# Altium PCB 智能锁实践教学平台.PcbDoc (part 1 of 3) (continued)
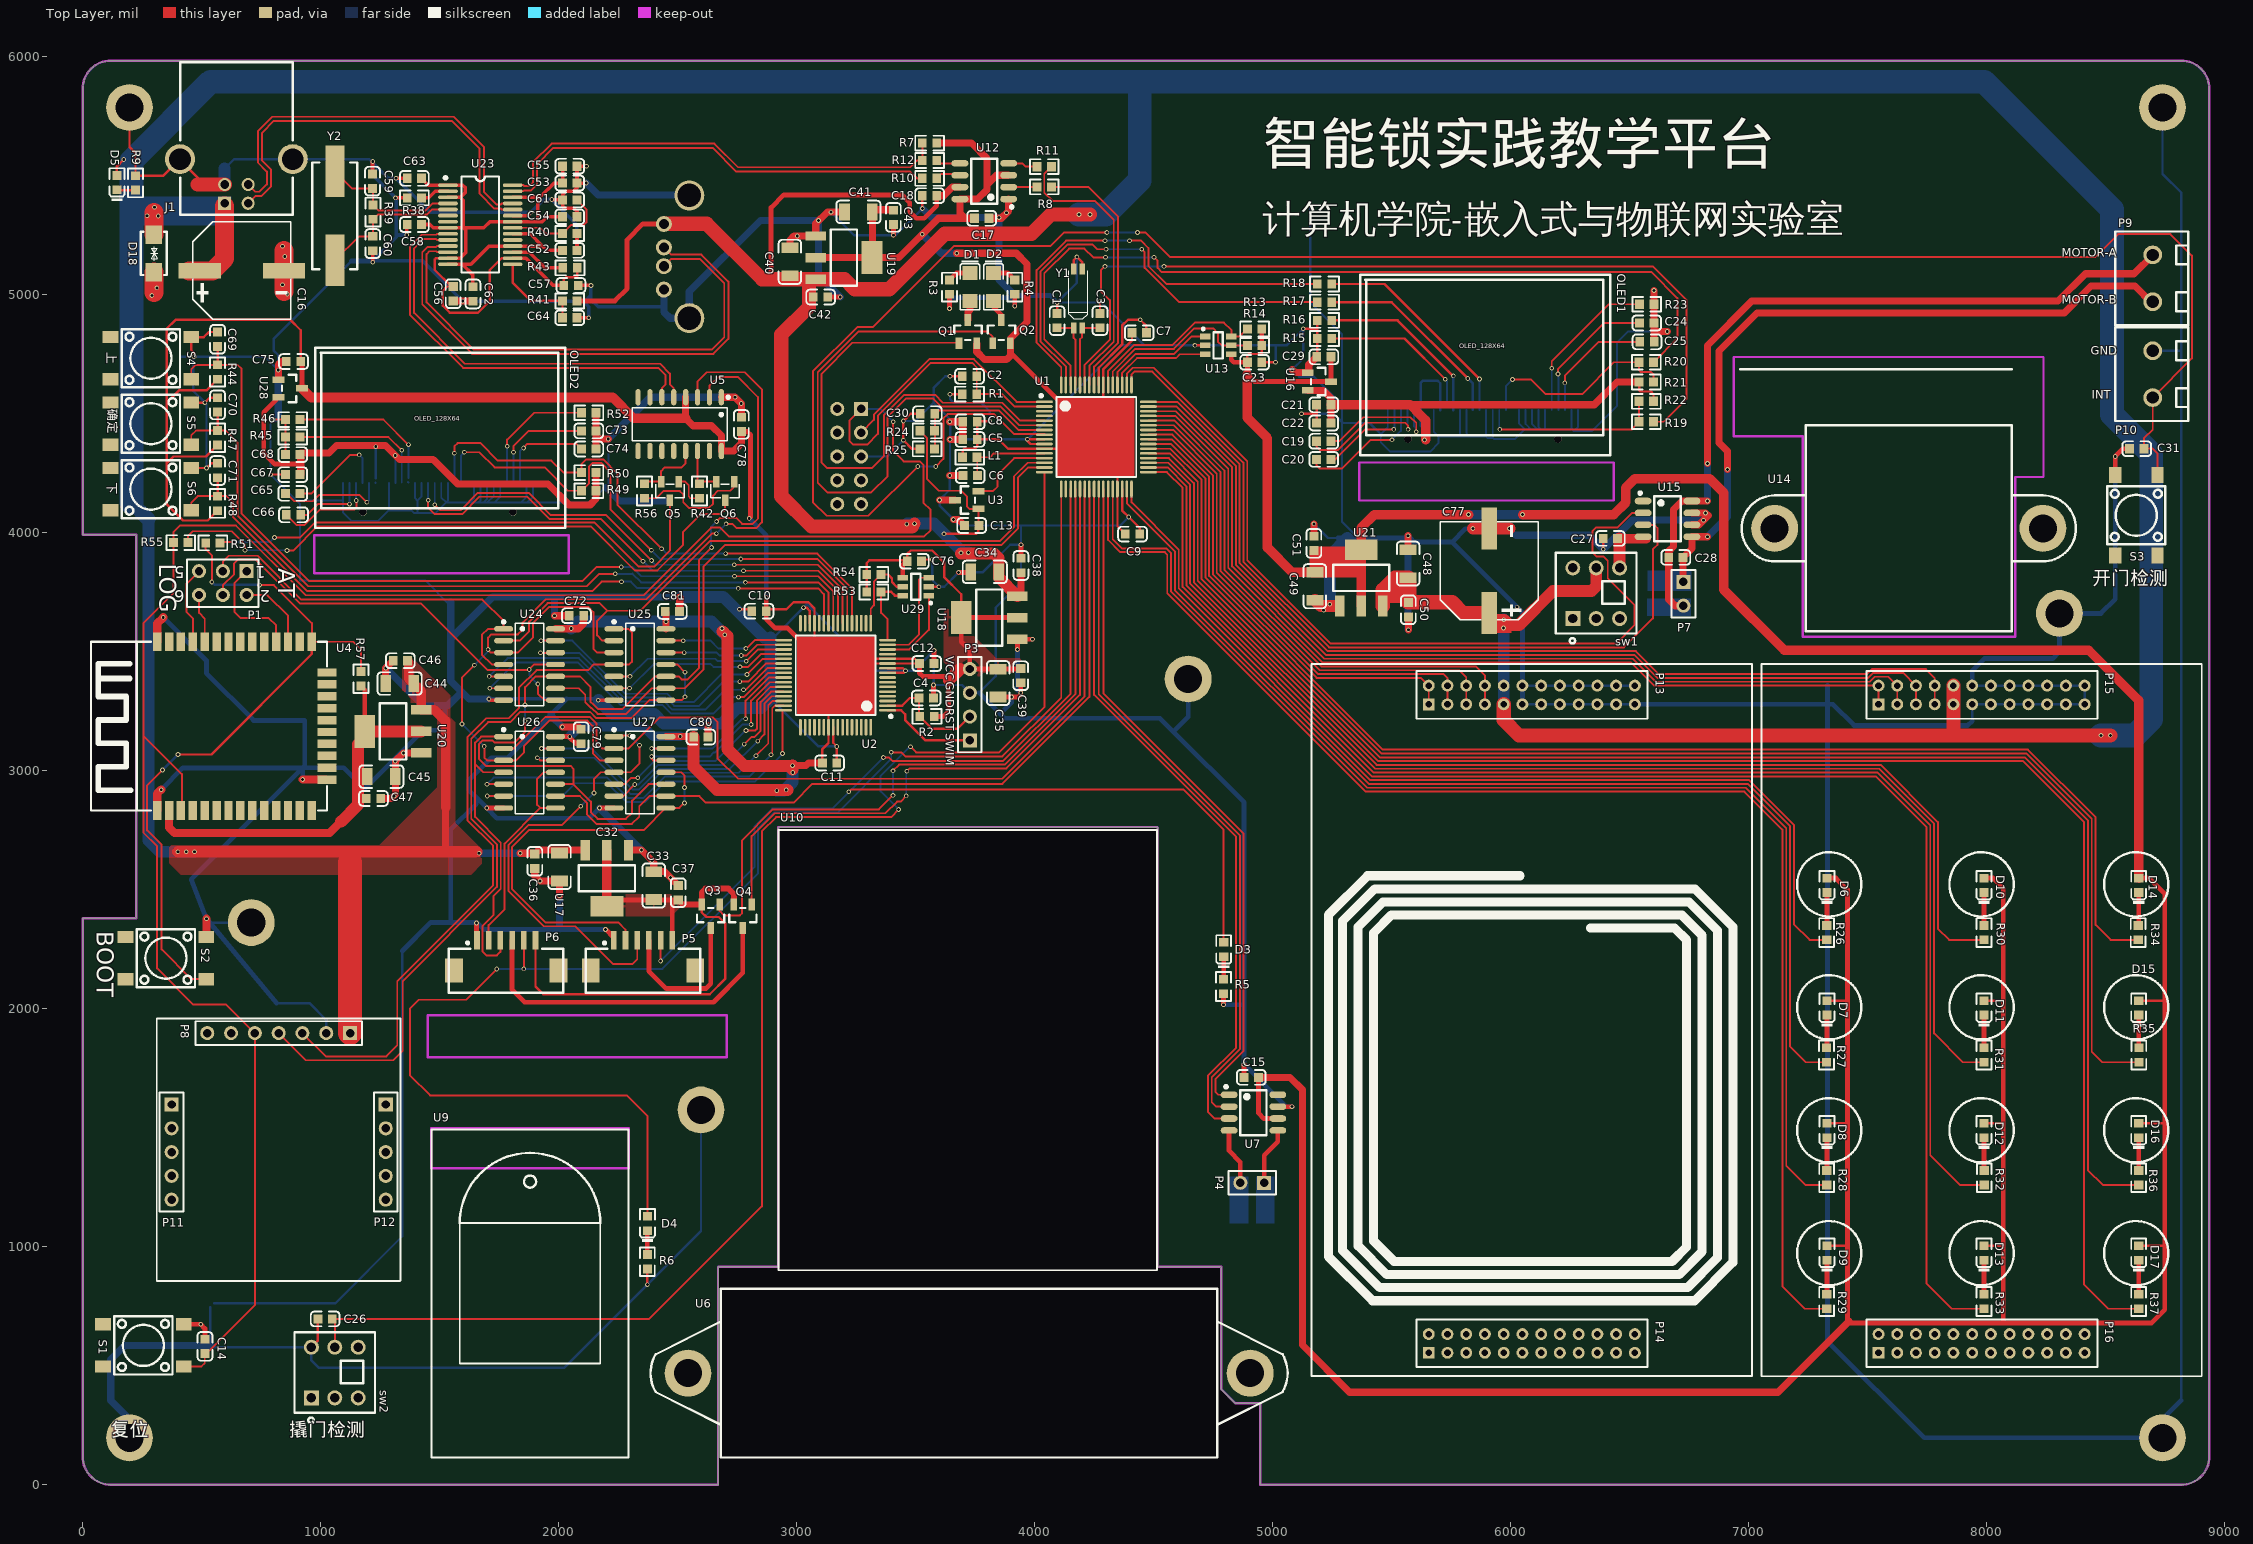
[diagram p0: Top Layer view]
## Components (designator, comment, footprint, x,y, rotation, side; value= is the part's Value field where it differs from the comment) (continued)
R6 "4.7K" 0603_R 2373,936.74 r90 top
R7 "1.5K" 0603_R 3559,5637.74 r0 top
R8 "300R" 0603_R 4041,5453.74 r180 top
R9 "4.7K" 0603_R 222,5470.74 r90 top
R10 "27R" 0603_R 3559,5489.74 r180 top
R11 "300R" 0603_R 4041,5538.74 r180 top
R12 "27R" 0603_R 3559,5564.74 r180 top
R13 "10K" 0603_R 4925,4856.74 r0 top
R14 "10K" 0603_R 4925,4787.74 r0 top
R15 "4.7K" 0603_R 5218.68,4816.45 r0 top
R16 "4.7K" 0603_R 5218.68,4892.88 r0 top
R17 "1K" 0603_R 5218.68,4969.31 r0 top
R18 "1K" 0603_R 5218.68,5045.74 r0 top
R19 "1K" 0603_R 6571,4466.74 r180 top
R20 "1K" 0603_R 6571,4716.74 r180 top
R21 "4.7K" 0603_R 6571,4634.07 r0 top
R22 "4.7K" 0603_R 6571,4552.74 r180 top
R23 "910K" 0603_R 6573,4960.74 r0 top
R24 "4.7K" 0603_R 3549,4428.74 r180 top
R25 "10K" 0603_R 3549,4352.74 r0 top
R26 "4.7K" 0603_R 7329,2319.74 r90 top
R27 "4.7K" 0603_R 7328,1805.74 r90 top
R28 "4.7K" 0603_R 7329,1289.74 r90 top
R29 "4.7K" 0603_R 7329,769.74 r90 top
R30 "4.7K" 0603_R 7990,2319.74 r90 top
R31 "4.7K" 0603_R 7990,1805.74 r90 top
R32 "4.7K" 0603_R 7991,1289.74 r90 top
R33 "4.7K" 0603_R 7990,769.74 r90 top
R34 "4.7K" 0603_R 8638,2319.74 r90 top
R35 "4.7K" 0603_R 8641,1805.74 r90 top
R36 "4.7K" 0603_R 8640,1289.74 r90 top
R37 "4.7K" 0603_R 8640,769.74 r90 top
R38 "680R  1%" 0603_R 1394,5407.74 r0 top
R39 "1M" 0603_R 1220,5347.74 r90 top
R40 "470K" 0603_R 2047,5257.63 r180 top
R41 "1R" 0603_R 2047,4974.52 r0 top
R42 "10K" 0603_R 2592,4175.74 r90 top
R43 "0R" 0603_R 2048,5113.74 r180 top
R44 "10K" 0603_R 567,4675.74 r270 top
R45 "4.7K" 0603_R 883,4402.74 r0 top
R46 "4.7K" 0603_R 883,4475.74 r0 top
R47 "10K" 0603_R 567,4399.74 r270 top
R48 "10K" 0603_R 567,4123.74 r270 top
R49 "4.7K" 0603_R 2127,4176.74 r180 top
R50 "4.7K" 0603_R 2127,4252.99 r180 top
R51 "0R" 0603_R 547,3957.74 r0 top
R52 "910K" 0603_R 2127,4504.74 r0 top
R53 "10K" 0603_R 3325,3751.74 r180 top
R54 "10K" 0603_R 3325,3824.74 r180 top
R55 "0R" 0603_R 412,3958.74 r0 top
R56 "10K" 0603_R 2361,4175.74 r90 top
R57 "10K" 0603_R 1170,3386.74 r270 top
S1 "switch" SW-SMD_4P-L6.2-W6.2-P4.50-LS9.0 255.44,585.3 r180 top
S2 "switch" SW-SMD_4P-L6.2-W6.2-P4.50-LS9.0 350,2212.74 r180 top
S3 "switch" SW-SMD_4P-L6.2-W6.2-P4.50-LS9.0 8630,4073.74 r270 top
S4 "switch" SW-SMD_4P-L6.2-W6.2-P4.50-LS9.0 287,4733.74 r180 top
S5 "switch" SW-SMD_4P-L6.2-W6.2-P4.50-LS9.0 287,4458.74 r180 top
S6 "switch" SW-SMD_4P-L6.2-W6.2-P4.50-LS9.0 287,4183.74 r180 top
sw1 "自锁开关" SW-TH_6P-L8.5-W8.5-P2.50-LS5.4-BL 6262,3640 r0 top
sw2 "自锁开关" SW-TH_6P-L8.5-W8.5-P2.50-LS5.4-BL 961,365 r0 top
U1 "STM8L052R8T6" LQFP-64_10X10X05P 4260,4402.74 r0 top
U2 "STM8L052R8T6" LQFP-64_10X10X05P 3164,3401.74 r180 top
U3 "REF3033" SOT-23(SOT-23-3) 3715,4137.74 r0 top
U4 "ESP32" WIFIM-SMD_ESP32-S32MB 670,3188 r90 top
U5 "CH340B" SOP-16_L10.0-W3.9-P1.27-LS6.0-BL 2509,4456.74 r180 top
U6 "YH-SP1635-01" YH-SP1635-01 3725,468.74 r90 top
U7 "NV080C" SOP-8_150mil 4920,1563.74 r270 top
U9 "F1020" F1020 1880,803.74 r0 top
U10 "BiovoV9" BiovoV9 3720,1826.5 r0 top
U12 "PL2303SA" SOP-8_150mil 3789,5477.74 r90 top
U13 "GT20L16S1Y" SOT-23-6 4772,4787.74 r180 top
U14 "motor" MH-JS030LK140 7674,4018.74 r180 top
U15 "MX608E" SOP-8_150mil 6660,4058.74 r270 top
U16 "662K" SOT-23(SOT-23-3) 5197,4635.74 r180 top
U17 "LM1117" SOT-223 2203,2548.74 r90 top
U18 "LM1117" SOT-223 3810,3643.74 r0 top
U19 "LM1117" SOT-223 3199,5156.74 r180 top
U20 "LM1117" SOT-223 1304,3165.74 r0 top
U21 "LM1117" SOT-223 5373,3810.74 r270 top
U23 "AU6268" SSOP-28_208mil 1671,5294.74 r270 top
U24 "CD4066BM" SOIC-14_L8.7-W3.9-P1.27-LS6.0-BL 1878,3446.74 r270 top
U25 "CD4066BM" SOIC-14_L8.7-W3.9-P1.27-LS6.0-BL 2342,3446.74 r270 top
U26 "CD4066BM" SOIC-14_L8.7-W3.9-P1.27-LS6.0-BL 1878,2993.74 r270 top
U27 "CD4066BM" SOIC-14_L8.7-W3.9-P1.27-LS6.0-BL 2342,2993.74 r270 top
U28 "662K" SOT-23(SOT-23-3) 872.55,4606.74 r180 top
U29 "GT20L16S1Y" SOT-23-6 3501,3773.74 r0 top
USB-HOST1 "USBPORT_0" USB-A-TH_USB-DIP-04F-S1-B1-Y2 2496,5160 r270 bottom
Y1 "32.768KHz" CRY_MC146 4182,4996.74 r90 top
Y2 "12MHz" LC-HC-49SMD 1060,5331.74 r90 top

## Footprints (in the part's own frame and the unit in brackets; to place one, negate y for a bottom-side part, rotate by r counter-clockwise, add the part's x,y. Pads: shape width x height; smd on the part's side, far side on the other; paste and mask are expansions set on the pad)
"2.0mm 2*12P直排母" [mm]
  rect 1.27x1.27 / inner round 1.524 / far side rect 1.27x1.27 hole 0.7: 1(0,0)
  round 1.27 / inner round 1.524 / far side round 1.27 hole 0.7: 2(0,2) 3(2,0) 4(2,2) 5(4,0) 6(4,2) 7(6,0) 8(6,2) 9(8,0) 10(8,2) 11(10,0) 12(10,2) 13(12,0) 14(12,2) 15(14,0) 16(14,2) 17(16,0) 18(16,2) 19(18,0) 20(18,2) 21(20,0) 22(20,2) 23(22,0) 24(22,2)
  silkscreen extent -1.3,-1.54 23.36,3.54
2.54-2*5P简牛 [mm]
  rect 1.5x1.5 hole 0.9: 1(-5.08,-1.27)
  round 1.5 hole 0.9: 2(-5.08,1.27) 3(-2.54,-1.27) 4(-2.54,1.27) 5(0,-1.27) 6(0,1.27) 7(2.54,-1.27) 8(2.54,1.27) 9(5.08,-1.27) 10(5.08,1.27)
  silkscreen extent -10.25,-4.5 10.25,4.5
0603_C [mm]
  rect 0.93x0.98 smd: 1(-0.77,0) 2(0.77,0)
  silkscreen extent -1.53,-0.79 1.54,0.79, body extent -0.8,-0.4 0.8,0.4, height 0.3
0603_L [mm]
  rect 0.93x0.98 smd: 1(-0.77,0) 2(0.77,0)
  silkscreen extent -1.53,-0.79 1.54,0.79, body extent -0.82,-0.41 0.83,0.41, height 0.46
0603_LED_S1 [mm]
  rect 0.93x0.98 smd: A(0.77,0) K(-0.77,0)
  silkscreen extent -1.98,-0.79 1.54,0.79, body extent -0.8,-0.4 0.8,0.4, height 0.6
0603_R [mm]
  rect 0.93x0.98 smd: 1(-0.77,0) 2(0.77,0)
  silkscreen extent -1.53,-0.79 1.54,0.79, body extent -0.85,-0.4 0.85,0.4, height 0.56
1206_C [mm]
  rect 1.13x1.8 smd: 1(-1.49,0) 2(1.49,0)
  silkscreen extent -2.36,-1.2 2.35,1.2, body extent -1.6,-0.81 1.6,0.79, height 1
BiovoV9 [mil]
  silkscreen extent -795,-925 795,925
CAP-SMD_BD10.0-L10.3-W10.3-FD [mm]
  rect 4.5x1.65 smd: 1(-4.5,0) 2(4.5,0)
  silkscreen extent -5.23,-5.23 5.23,5.23
CONN-SMD_6PIN_AFC12-S06DCC-00_PITCH1.25-L [mm]
  rect 0.6x2 smd: 1(-3.125,1.798) 2(-1.875,1.798) 3(-0.625,1.798) 4(0.625,1.798) 5(1.875,1.798) 6(3.125,1.798)
  rect 1.9x2.6 smd: 7(5.575,-1.417) 8(-5.575,-1.417)
  silkscreen extent -6.12,-3.78 6.1,1.66
CONN-TH_WJ126V-5.0-2P [mm]
  round 2 hole 1.3: 1(0,2.501) 2(0,-2.501)
  silkscreen extent -3.8,-5 4,5
CRY_MC146 [mm]
  rect 1.2x0.6 smd: 1(-3.45,-0.46) 2(-3.45,0.44) 3(2.85,0.44) 4(2.85,-0.46)
  silkscreen extent -2.49,-1.04 2.65,0.96
F1020 [mil]
  silkscreen extent -413,-689 413,689
HDR1X2 [mm] "Connector; Header; 2 Position"
  rect 1.5x1.5 hole 0.9: 1(0,0)
  round 1.5 hole 0.9: 2(2.54,0)
  silkscreen extent -1.27,-1.27 3.81,1.27
HDR1X4 [mm] "Connector; Header; 4 Position"
  rect 1.5x1.5 hole 0.9: 1(0,0)
  round 1.5 hole 0.9: 2(2.54,0) 3(5.08,0) 4(7.62,0)
  silkscreen extent -1.27,-1.27 8.89,1.27
HDR1X5 [mm] "Connector; Header; 5 Position"
  rect 1.5x1.5 hole 0.9: 1(0,0)
  round 1.5 hole 0.9: 2(2.54,0) 3(5.08,0) 4(7.62,0) 5(10.16,0)
  silkscreen extent -1.27,-1.27 11.43,1.27
HDR1X7 [mm] "Connector; Header; 7 Position"
  rect 1.5x1.5 hole 0.9: 1(0,0)
  round 1.5 hole 0.9: 2(2.54,0) 3(5.08,0) 4(7.62,0) 5(10.16,0) 6(12.7,0) 7(15.24,0)
  silkscreen extent -1.27,-1.27 16.51,1.27
HDR2X3 [mm] "Connector; Header; 3x2 Position"
  rect 1.5x1.5 hole 0.9: 1(0,0)
  round 1.5 hole 0.9: 2(0,2.54) 3(2.54,0) 4(2.54,2.54) 5(5.08,0) 6(5.08,2.54)
  silkscreen extent -1.27,-1.27 6.35,3.81
LC-HC-49SMD [mm]
  rect 5.5x2 smd: 1(-4.75,0) 2(4.75,0)
  silkscreen extent -5.7,-2.4 5.7,2.4, body extent -6.7,-2.46 6.7,2.44, height 4
LED_1206 [mm]
  rect 1.485x1.62 smd: A(1.467,-0.155) K(-1.518,-0.155)
  silkscreen extent -2.79,-1.19 2.44,0.88
LQFP-64_10X10X05P [mm]
  oval 1.8x0.28 smd: 1(-5.55,3.75) 2(-5.55,3.25) 3(-5.55,2.75) 4(-5.55,2.25) 5(-5.55,1.75) 6(-5.55,1.25) 7(-5.55,0.75) 8(-5.55,0.25) 9(-5.55,-0.25) 10(-5.55,-0.75) 11(-5.55,-1.25) 12(-5.55,-1.75) 13(-5.55,-2.25) 14(-5.55,-2.75) 15(-5.55,-3.25) 16(-5.55,-3.75) 33(5.55,-3.75) 34(5.55,-3.25) 35(5.55,-2.75) 36(5.55,-2.25) 37(5.55,-1.75) 38(5.55,-1.25) 39(5.55,-0.75) 40(5.55,-0.25) 41(5.55,0.25) 42(5.55,0.75) 43(5.55,1.25) 44(5.55,1.75) 45(5.55,2.25) 46(5.55,2.75) 47(5.55,3.25) 48(5.55,3.75)
  oval 0.28x1.8 smd: 17(-3.75,-5.55) 18(-3.25,-5.55) 19(-2.75,-5.55) 20(-2.25,-5.55) 21(-1.75,-5.55) 22(-1.25,-5.55) 23(-0.75,-5.55) 24(-0.25,-5.55) 25(0.25,-5.55) 26(0.75,-5.55) 27(1.25,-5.55) 28(1.75,-5.55) 29(2.25,-5.55) 30(2.75,-5.55) 31(3.25,-5.55) 32(3.75,-5.55) 49(3.75,5.55) 50(3.25,5.55) 51(2.75,5.55) 52(2.25,5.55) 53(1.75,5.55) 54(1.25,5.55) 55(0.75,5.55) 56(0.25,5.55) 57(-0.25,5.55) 58(-0.75,5.55) 59(-1.25,5.55) 60(-1.75,5.55) 61(-2.25,5.55) 62(-2.75,5.55) 63(-3.25,5.55) 64(-3.75,5.55)
  silkscreen extent -6.05,-4.25 4.25,4.55
MH-JS030LK140 [mm]
  round 5 hole 3: 0(-14.32,0) 1(14.32,0)
  silkscreen extent -17.84,-17 18,11
OLED-SMD_QG-2864KSWEG01-FLOD [mm]
  rect 0.351x3.5 smd far side: 1(-9.895,-1.018) 2(-9.19,-1.018) 3(-8.49,-1.018) 4(-7.79,-1.018) 5(-7.09,-1.018) 6(-6.39,-1.018) 7(-5.69,-1.018) 8(-4.99,-1.018) 9(-4.29,-1.018) 10(-3.59,-1.018) 11(-2.89,-1.018) 12(-2.19,-1.018) 13(-1.49,-1.018) 14(-0.79,-1.018) 15(-0.09,-1.018) 16(0.61,-1.018) 17(1.31,-1.018) 18(2.01,-1.018) 19(2.71,-1.018) 20(3.41,-1.018) 21(4.11,-1.018) 22(4.81,-1.018) 23(5.51,-1.018) 24(6.21,-1.018) 25(6.91,-1.018) 26(7.61,-1.018) 27(8.31,-1.018) 28(9.005,-1.018) 29(9.704,-1.018) 30(10.403,-1.018)
  round 0.8 hole 0.8 unplated: ""(-7.746,-4.624) ""(8.254,-4.624)
  Keep-Out Layer lines w0.254: -12.954,-11.176 -12.954,-7.112 14.224,-7.112 14.224,-11.176 -12.954,-11.176
  silkscreen extent -12.85,-6.34 13.85,12.92
SMA_L4.4-W2.6-LS5.0-BI [mm]
  rect 2x1.8 smd: 1(-2,0) 2(2,0)
  silkscreen extent -2.3,-1.4 2.3,1.4
SOIC-14_L8.7-W3.9-P1.27-LS6.0-BL [mil]
  oval 22.6x80.24 smd: 1(-150,-109.02) 2(-100,-109.02) 3(-50,-109.02) 4(0,-109.02) 5(50,-109.02) 6(100,-109.02) 7(150,-109.02) 8(150,109.01) 9(100,109.01) 10(50,109.01) 11(0,109.01) 12(-50,109.01) 13(-100,109.01) 14(-150,109.01)
  silkscreen extent -185,-115 173,60
SOP-8_150mil [mm]
  oval 0.7x1.8 smd: 1(-1.905,-2.6) 2(-0.635,-2.6) 3(0.635,-2.6) 4(1.905,-2.6) 5(1.905,2.6) 6(0.635,2.6) 7(-0.635,2.6) 8(-1.905,2.6)
  silkscreen extent -2.9,-3.07 2.4,1.4, body extent -2.5,-3.1 2.5,3.1, height 1.75
SOP-16_L10.0-W3.9-P1.27-LS6.0-BL [mm]
  oval 0.56x1.745 smd: 1(-4.445,-2.873) 2(-3.175,-2.873) 3(-1.905,-2.873) 4(-0.635,-2.873) 5(0.635,-2.873) 6(1.905,-2.873) 7(3.175,-2.873) 8(4.445,-2.873) 9(4.445,2.873) 10(3.175,2.873) 11(1.905,2.873) 12(0.635,2.873) 13(-0.635,2.873) 14(-1.905,2.873) 15(-3.175,2.873) 16(-4.445,2.873)
  silkscreen extent -5.33,-3.02 5.08,1.77
SOT-23(SOT-23-3) [mm]
  rect 1.25x0.7 smd: 1(1.25,-0.95) 2(1.25,0.95) 3(-1.25,0)
  silkscreen extent -0.65,-1.46 0.9,1.46, body extent -1.5,-1.5 1.5,1.5, height 1.3
SOT-23-3_L2.9-W1.3-P1.90-LS2.4-BR [mm]
  rect 1.25x0.7 smd: 1(1,-0.95) 2(1,0.95) 3(-1,0)
  silkscreen extent -0.73,-1.53 0.73,1.53
SOT-23-6 [mm]
  rect 1.1x0.6 smd: 1(1.4,-0.95) 2(1.4,0) 3(1.4,0.95) 4(-1.4,0.95) 5(-1.4,0) 6(-1.4,-0.95)
  silkscreen extent -0.5,-1.87 1.72,1.4
SOT-223 [mm]
  rect 2.2x1 smd: 1(3,-2.3) 2(3,0) 3(3,2.3)
  rect 2.2x3.5 smd: 2(-3,0)
  silkscreen extent -1.4,-3 1.4,3, body extent -3.49,-3.24 3.49,3.24, height 1.64
SSOP-28_208mil [mm]
  oval 0.4x2.1 smd mask+0.051: 1(-4.225,-3.45) 2(-3.575,-3.45) 3(-2.925,-3.45) 4(-2.275,-3.45) 5(-1.625,-3.45) 6(-0.975,-3.45) 7(-0.325,-3.45) 8(0.325,-3.45) 9(0.975,-3.45) 10(1.625,-3.45) 11(2.275,-3.45) 12(2.925,-3.45) 13(3.575,-3.45) 14(4.225,-3.45) 15(4.225,3.45) 16(3.575,3.45) 17(2.925,3.45) 18(2.275,3.45) 19(1.625,3.45) 20(0.975,3.45) 21(0.325,3.45) 22(-0.325,3.45) 23(-0.975,3.45) 24(-1.625,3.45) 25(-2.275,3.45) 26(-2.925,3.45) 27(-3.575,3.45) 28(-4.225,3.45)
  silkscreen extent -5.15,-3.86 5.1,2
SW-SMD_4P-L6.2-W6.2-P4.50-LS9.0 [mm]
  rect 1.7x1.3 smd: 1(-4.3,2.25) 2(-4.3,-2.25) 3(4.3,2.25) 4(4.3,-2.25)
  silkscreen extent -3.1,-3.1 3.1,3.1
SW-TH_6P-L8.5-W8.5-P2.50-LS5.4-BL [mm]
  rect 1.6x1.6 hole 1: 1(0,0)
  round 1.6 hole 1: 2(2.5,0) 3(5,0) 4(5,5.4) 5(2.5,5.4) 6(0,5.4)
  silkscreen extent -1.8,-2.66 6.8,7
USB-A-TH_USB-DIP-04F-S1-B1-Y2 [mm]
  round 1.7 hole 1.1: 1(-3.5,1.355) 2(-1,1.355) 3(1,1.355) 4(3.5,1.355)
  round 3.2 hole 2.5: 5(6.55,-1.355) 6(-6.55,-1.355)
  silkscreen extent -7.25,-12.68 7.24,1.66
USB_D [mm]
  rect 1.4x1.4 hole 0.92: 1(-4.602,1.123)
  round 1.4 hole 0.92: 2(-4.602,-1.377) 3(-2.602,-1.377) 4(-2.602,1.123)
  round 3.2 hole 2.3: SH1(0.108,5.893) SH2(0.108,-6.147)
  silkscreen extent -5.84,-6.13 10.46,5.87
WIFIM-SMD_ESP32-S32MB [mm]
  rect 2x0.9 smd: 1(-9,9.068) 2(-9,7.798) 3(-9,6.528) 4(-9,5.258) 5(-9,3.988) 6(-9,2.718) 7(-9,1.448) 8(-9,0.178) 9(-9,-1.092) 10(-9,-2.362) 11(-9,-3.632) 12(-9,-4.902) 13(-9,-6.172) 14(-9,-7.442) 25(9,-7.442) 26(9,-6.172) 27(9,-4.902) 28(9,-3.632) 29(9,-2.362) 30(9,-1.092) 31(9,0.178) 32(9,1.448) 33(9,2.718) 34(9,3.988) 35(9,5.258) 36(9,6.528) 37(9,7.798) 38(9,9.068)
  rect 0.9x2 smd: 15(-5.715,-9.068) 16(-4.445,-9.068) 17(-3.175,-9.068) 18(-1.905,-9.068) 19(-0.635,-9.068) 20(0.635,-9.068) 21(1.905,-9.068) 22(3.175,-9.068) 23(4.445,-9.068) 24(5.715,-9.068)
  silkscreen extent -9.02,-9.07 9.02,16.13
YH-SP1635-01 [mm]
  round 5 hole 3: 0(0,30) 1(0,-30)
  silkscreen extent -9,-34 9,34

## Part data
C1 C2 C3 C4 C5 C6 C7 C8 C9 C10 C11 C12 C13 C14 C15 C17 C18 C19 C20 C21 C22 C23 C24 C25 C26 C27 C28 C29 C30 C31 C36 C37 C38 C39 C42 C43 C46 C47 C50 C51 C52 C53 C54 C55 C56 C57 C58 C59 C60 C61 C62 C63 C64 C65 C66 C67 C68 C69 C70 C71 C72 C73 C74 C75 C76 C78 C79 C80 C81: library part Cap, "贴片电容，0603"
C16 C32 C33 C34 C35 C40 C41 C44 C45 C48 C49 C77: library part CAPACITOR, "贴片电容，1206"
D1: library part LED, "1206封装，红色LED"
D2: library part LED, "1206封装，绿色LED"
D3 D4 D5 D6 D7 D8 D9 D10 D11 D12 D13 D14 D15 D16 D17: "贴片LED，0603，白色"
D18: "TVS"
J1: library part USB, "USB-B10-BRW"
L1: library part L, "MLZ1608E100MT000，贴片电感，0603"
OLED1 OLED2: "128x64 单色白色，QG-2864KSWEG01"
P1: "Header, 3-Pin, Dual row"
P2: "2.54mm 2*5P 直 简牛"
P3 P4 P7 U9 U10: "不焊"
P5 P6: library part "Header 6", "1.25MM 6P 卧式贴片插座连接器"
P8: "Header, 7-Pin"
P9 P10: "WJ126V-5.0-2P，不焊"
P11 P12: "Header, 5-Pin"
P13 P14 P15 P16: "Header, 12-Pin, Dual row"
Q1 Q2 Q3 Q4: library part 3415, "KO3415,SOT23-3"
Q5 Q6: "S8050,SOT-23"
R1 R2 R3 R4 R5 R6 R7 R8 R9 R10 R11 R12 R13 R14 R15 R16 R17 R18 R19 R20 R21 R22 R23 R24 R25 R26 R27 R28 R29 R30 R31 R32 R33 R34 R35 R36 R37 R38 R39 R40 R41 R42 R43 R44 R45 R46 R47 R48 R49 R50 R51 R52 R53 R54 R55 R56 R57: library part Res2, "贴片电阻，0603"
S1 S2 S3 S4 S5 S6: "贴片按键，6*6*5"
sw1 sw2: library part switch_lock, "8.5*8.5*H22.35自锁按键开关"
U1 U2: "STM8L052R8T6,LQFP-64_10x10x05P"
U3: library part REF3033AIDBZR, "3.0V标准电压输出，SOT-23"
U5: library part CH340C, "CH340B,SOP-16_150mil"
U6: library part speaker, "1635腔体喇叭，不焊"
U7: library part NVCXXXC, "语音芯片，SOP-8"
U12: "USB转TTL芯片，PL2303SA，SOP-8_150mil"
U13 U29: "字库芯片， SOT-23-6"
U14: "顶呱呱工厂 MH-JS030LK140"
U15: "MX608E电机驱动，SOP8"
U16 U28: "线性稳压器662k,SOT23-3"
U23: "AU6268,SSOP28封装"
U24 U25 U26 U27: library part CD4066B, "双向 FET 开关,CD4066BM,SOIC-14"
USB-HOST1: "USB - A 插座 ,直角,292303-1"
Y1: library part CRYSTAL_1, "OSC,32.768KHz,+/-25ppm,3.3V,15pF,MC146,-20℃~70℃"
Y2: library part XTAL, "贴片晶振，49SMD"

## Free pads (board coordinates)
  round 196.85 hole 118.11: 1(196.85,196.85) 1(196.85,5787.4) 1(708.66,2362.2) 1(2598.43,1574.8) 1(4645.67,3385.83) 1(8307.09,3661.42) 1(8740.16,196.85) 1(8740.16,5787.4)

## Via types
v1: diameter 19.68, hole 11.81, Top Layer to Bottom Layer, 283 vias

## Nets (pads, with @x,y where several pads share a name; then routed paths per layer and width w, separated by ;. In a path a pad name is that pad's centre, name@x,y a point inside that pad or via, vN(x,y) a via of type N, cw(c..) or ccw(c..) an arc to the next point about the centre after c; other vN are vias at no path point)
3.3V-FINGER: C33.1 C37.1 P5.6 P6.6 Q3.2 Q4.2 U17.2 | length 2485.2
  Top Layer w10: P6.6@1903.03,2287.55 1903.03,2093.71 1936,2060.74 2635,2060.74 2701,2126.74 2701,2357.74 2673,2385.74 2621,2385.74 2601.6,2405.14 Q3.2@2601.6,2437.95
  Top Layer w20: U17.2@2199.03,2426.66 U17.2@2203,2430.63 2229.8,2457.43 C37.1@2503,2457.43 ; P5.6@2478.03,2287.55 2478.03,2451.74
  Top Layer w25: C37.1@2503,2457.43 2522.47,2437.95 Q3.2@2601.6,2437.95 2601.6,2488.34 2618,2504.74 2714,2504.74 2736.6,2482.14 Q4.2@2736.6,2437.95
  Top Layer w40: U17.2@2203,2430.63 U17.2@2203,2666.85
AUTO_EN: Q6.3 R55.2 | length 2636.8
  Top Layer w8: R55.2@442.32,3958.74 442.32,3986.06 463,4006.74 627,4006.74 682,3951.74 v1(682,3926.74) ; v1(859,3925.74) 884.96,3925.74 985.96,4026.74 2135,4026.74 2320,3841.74 2415,3841.74 2522,3948.74 2522,4001.74 2600,4079.74 2682,4079.74 2700,4097.74 Q6.3@2700,4136.37
  Bottom Layer w8: v1(682,3926.74) 856,3926.74 857,3927.74 v1(859,3925.74)
AUTO_IO0: Q5.3 R51.2 | length 2237.7
  Top Layer w8: R51.2@580.32,3960.74 v1(635,3960.74) ; v1(806,3980.74) 914,3980.74 976,4042.74 2152,4042.74 2337,3857.74 2401,3857.74 2468,3924.74 Q5.3@2468,4136.37
  Bottom Layer w8: v1(635,3960.74) 786,3960.74 v1(806,3980.74)
AVDD0: C53.2 C54.2 C55.2 C56.2 C57.2 C58.2 C63.2 R43.1 U23.1 U23.3 U23.8 U23.13 U23.16 U23.22 U23.26 | length 2827.6
  Top Layer w10: U23.13@1535.17,5153.99 1484.25,5153.99 1479,5148.74 1479,5105.74 C56.2@1549.68,5035.06 ; C56.2@1557,5035.06 C56.2@1549.68,5035.06 ; U23.16@1806.83,5153.99 1760.25,5153.99 1711,5104.74 1711,4974.74 1661,4924.74 1543,4924.74 1513,4954.74 1513,5016.74 1531.32,5035.06 C56.2@1549.68,5035.06 ; C57.2@2021.68,5039.74 2021.68,5064.43 2031,5073.74 2073,5073.74 2078.31,5079.05 R43.1@2078.31,5113.74
  Top Layer w15: C58.2@1424.31,5295.74 1459,5295.74 1472.8,5281.94 U23.8@1535.17,5281.94 1599.8,5281.94 ; C63.2@1424.32,5489.74 1452.98,5461.08 U23.1@1535.17,5461.08 1597.66,5461.08 1607,5451.74 1607,5428.74 1588.16,5409.9 ; U23.13@1535.17,5153.99 1586.25,5153.99 1610,5177.74 1610,5271.74 1599.8,5281.94 ; U23.3@1535.17,5409.9 1588.16,5409.9 ; U23.16@1806.83,5153.99 1862.75,5153.99 1977,5039.74 C57.2@2021.68,5039.74 ; U23.26@1806.83,5409.9 1921.16,5409.9 1981.22,5469.96 C53.2@2016.68,5469.96 C55.2@2016.68,5540.74 ; 1912,5408.9 1912,5307.54 ; C54.2@2016.68,5328.41 1952.67,5328.41 1931.8,5307.54 1912,5307.54 ; 1588.16,5409.9 1599.8,5398.26 1599.8,5281.94 ; 1599.8,5281.94 1686.2,5281.94 1711.8,5307.54 U23.22@1806.83,5307.54 1912,5307.54
BIOVO_MONITOR_EN: U2.43 U27.5 | length 951.7
  Top Layer w8: U27.5@2232.98,2943.74 2279,2943.74 2305.7,2970.44 v1(2332.7,2970.44) ; v1(2787.31,3169.43) 2826.69,3169.43 2833,3175.74 2833,3294.99 2890.54,3352.53 U2.43@2945.5,3352.53
  Bottom Layer w8: v1(2332.7,2970.44) 2403,3040.74 2658.63,3040.74 v1(2787.31,3169.43)
BIOVO_USART2_EN: U2.41 U27.13 | length 782.5
  Top Layer w8: v1(2391,3093.74) U27.13@2451.01,3093.74 ; v1(2786,3218.74) 2786,3294.74 2883.16,3391.9 U2.41@2945.5,3391.9
  Bottom Layer w8: v1(2391,3093.74) 2647,3093.74 2772,3218.74 v1(2786,3218.74)
BIOVOV9-INT: D3.A P5.5 U1.19 | length 5369.8
  Top Layer w8: v1(2428.82,2200.92) P5.5@2428.82,2287.55 ; v1(3219,2911.74) 3229,2921.74 4625.12,2921.74 4795,2751.86 D3.A@4795,2279.06 ; v1(3365,3055.74) 3389,3055.74 3403,3041.74 3868.75,3041.74 4151.73,3324.72 U1.19@4151.73,4184.24
  Bottom Layer w8: v1(2428.82,2200.92) 2822.53,2594.63 2822.53,2765.9 2897.37,2840.74 3150,2840.74 v1(3365,3055.74)
BIOVOV9-RX: P5.2 U27.8 U27.11 | length 1802.4
  Top Layer w8: P5.2@2281.18,2269.55 2281.18,2332.56 2251,2362.74 1944.63,2362.74 1805,2502.37 1805,2680.49 1875.25,2750.74 2358.01,2750.74 U27.8@2451.01,2843.74 ; U27.8@2436,2843.74 U27.8@2451.01,2843.74 ; U27.11@2451.01,2993.74 2516,2993.74 2529,2980.74 v1(2529,2929.74) ; v1(2529,2864.74) 2508,2843.74 U27.8@2451.01,2843.74
  Bottom Layer w8: v1(2529,2864.74) v1(2529,2929.74)
BIOVOV9-TX: P5.3 U27.1 U27.4 | length 1878.9
  Top Layer w8: v1(2093,2850.74) 2015,2772.74 1874.63,2772.74 1789,2687.11 1789,2495.74 1938,2346.74 2070,2346.74 2229,2187.74 2310,2187.74 2330.39,2208.13 P5.3@2330.39,2287.55 ; v1(2149,2906.74) 2149,2965.74 2177,2993.74 U27.4@2232.98,2993.74 2304,2993.74 2340,3029.74 v1(2340,3107.74) ; U27.1@2232.98,3143.74 2236.98,3147.74 v1(2300,3147.74)
  Bottom Layer w8: v1(2093,2850.74) v1(2149,2906.74) ; v1(2300,3147.74) v1(2340,3107.74)
BIOVOV9-VCC: P5.4 Q3.3 | length 662.3
  Top Layer w20: P5.4@2379.61,2287.55 2379.61,2158.13 2453,2084.74 2619,2084.74 2639,2104.74 Q3.3@2639,2339.53
CHIPRESETN: C61.2 R40.2 U23.21 | length 450.6
  Top Layer w8: U23.21@1806.83,5281.94 1923.8,5281.94 1948.11,5257.63 R40.2@2016.68,5257.63 2052.8,5293.74 2106,5293.74 2117,5304.74 2117,5359.5 C61.2@2077.32,5399.18
ESP32-AT-RX: P1.2 U4.27 | length 319.4
  Top Layer w8: P1.2@689,3738.74 776,3738.74 863,3651.74 U4.27@863,3542.4
ESP32-AT-TX: P1.1 U4.28 | length 459.1
  Top Layer w8: P1.1@689,3838.74 638,3787.74 638,3667.74 664,3641.74 782,3641.74 813,3610.74 U4.28@813,3542.4
ESP32-DL-RX: P1.6 U4.34 | length 206.3
  Top Layer w8: P1.6@489,3738.74 489,3663.74 513,3639.74 U4.34@513,3542.4
ESP32-DL-TX: P1.5 U4.35 | length 328.6
  Top Layer w8: U4.35@463,3542.4 463,3640.74 437,3666.74 437,3786.74 P1.5@489,3838.74
ESP32-RX: P1.4 U24.8 U24.11 | length 1913.6
  Top Layer w8: P1.4@589,3738.74 589,3779.3 636,3826.3 636,3871.74 652,3887.74 728.37,3887.74 912.37,3703.74 1421,3703.74 1701.3,3423.44 1874.7,3423.44 v1(1877,3425.74) 1898,3446.74 U24.11@1987.01,3446.74 ; v1(1913,3364.74) 1913,3324.74 1941,3296.74 U24.8@1987.01,3296.74
  Bottom Layer w8: v1(1877,3425.74) 1877,3400.74 v1(1913,3364.74)
ESP32-TX: P1.3 U24.1 U24.4 | length 1670.1
  Top Layer w8: P1.3@589,3838.74 589,3878.74 614,3903.74 735,3903.74 919,3719.74 1680,3719.74 1768.98,3630.76 U24.1@1768.98,3596.74 1704,3596.74 1678,3570.74 1678,3487.74 1719,3446.74 U24.4@1768.98,3446.74
ESP32_IO0: R51.1 R57.1 S2.1 U4.25 | length 2983.9
  Top Layer w8: v1(335.5,3003.24) 271,2938.74 271,2749.74 332,2688.74 332,2249.45 456.71,2124.74 S2.1@519,2124.74 ; R51.1@516.69,3957.74 516.69,3932.05 543,3905.74 v1(543,3793.3) ; v1(743,3780.3) 803.44,3780.3 963,3620.74 963,3542.4 1137.34,3542.4 1170,3509.74 R57.1@1170,3417.05
  Top Layer w10: v1(401,3068.74) 541,3068.74 963,3490.74 U4.25@963,3542.4
  Bottom Layer w10: v1(335.5,3003.24) v1(401,3068.74) ; v1(543,3793.3) 543.5,3793.3 555.53,3781.27 742.03,3781.27 v1(743,3780.3)
ESP32_MONITOR_EN: U2.39 U24.5 | length 1492.1
  Top Layer w8: v1(1709,3396.74) U24.5@1768.98,3396.74 ; v1(2777,3340.74) 2786.75,3340.74 2877.28,3431.27 U2.39@2945.5,3431.27
  Bottom Layer w8: v1(1709,3396.74) 1786,3473.74 2085.63,3473.74 2267.63,3291.74 2443.63,3291.74 2478.47,3256.9 2617.16,3256.9 2703,3342.74 2705,3340.74 v1(2777,3340.74)
ESP32_USART3_EN: U2.37 U24.13 | length 1262.6
  Top Layer w8: v1(1926,3546.74) U24.13@1987.01,3546.74 ; v1(2792,3404.74) 2857.9,3470.64 U2.37@2945.5,3470.64
  Bottom Layer w8: v1(1926,3546.74) 2057.88,3546.74 2280.88,3323.74 2456.88,3323.74 2491.72,3288.9 2567.16,3288.9 2683,3404.74 v1(2792,3404.74)
F1020-INT: D4.A P6.5 U1.17 | length 6189.6
  Top Layer w8: v1(1740,2166.74) 1611,2037.74 1412,2037.74 1375,2000.74 1375,1720.74 1460,1635.74 2286,1635.74 2374,1547.74 D4.A@2374,1128.06 ; v1@1853.82,2162.92 v1(1853.82,2167.74) P6.5@1853.82,2287.55 ; v1(3398.05,3077.58) 3440.16,3077.58 3457,3060.74 3865.12,3060.74 4112.36,3307.98 U1.17@4112.36,4184.24
  Bottom Layer w8: v1(1740,2166.74) v1@1852.82,2166.74 ; v1(1853.82,2167.74) 2436,2167.74 2838.53,2570.27 2838.53,2759.27 2904,2824.74 3173,2824.74 3398.05,3049.79 v1(3398.05,3077.58)
F1020-RX: P6.2 U26.8 U26.11 | length 926
  Top Layer w8: P6.2@1706.18,2287.55 1706.18,2351.31 1773,2418.13 1773,2693.74 1923,2843.74 ; U26.8@1987.01,2843.74 1923,2843.74 ; U26.11@1987.01,2993.74 1938,2993.74 1910,2965.74 1910,2856.74 1923,2843.74
F1020-TX: P6.3 U26.1 U26.4 | length 1355.3
  Top Layer w8: P6.3@1755.39,2287.55 1755.39,2239.13 1740.39,2224.13 1696.61,2224.13 1680.78,2239.96 1680.78,2348.53 1727,2394.75 1727,2475.11 1757,2505.11 1757,2697.99 1649,2805.99 1649,3027.74 ; U26.4@1768.98,2993.74 1683,2993.74 1649,3027.74 ; U26.1@1768.98,3143.74 1674,3143.74 1649,3118.74 1649,3027.74
F1020-VCC: P6.4 Q4.3 | length 1438.2
  Top Layer w20: P6.4@1804.61,2287.55 1804.61,2080.13 1857,2027.74 2651,2027.74 2774,2150.74 Q4.3@2774,2339.53
F1020_MONITOR_EN: U2.47 U26.5 | length 1635.7
  Top Layer w8: v1(1699,2943.74) U26.5@1768.98,2943.74 ; v1(2893,3067.74) 2898.07,3072.81 2898.07,3262.81 2909.05,3273.79 U2.47@2945.5,3273.79
  Bottom Layer w8: v1(1699,2943.74) 1727,2971.74 2204,2971.74 2290,2885.74 2357,2885.74 2447,2975.74 2801,2975.74 v1(2893,3067.74)
F1020_USART2_EN: U2.45 U26.13 | length 1386.3
  Top Layer w8: v1(1928,3093.74) U26.13@1987.01,3093.74 ; v1(2837,3124.74) 2865,3152.74 2865,3281.74 2896.42,3313.16 U2.45@2945.5,3313.16
  Bottom Layer w8: v1(1928,3093.74) 2138,3093.74 2311,2920.74 2336.52,2920.74 2388.52,2972.74 2423.52,3007.74 2720,3007.74 v1(2837,3124.74)